# KiCad board DM23.kicad_pcb
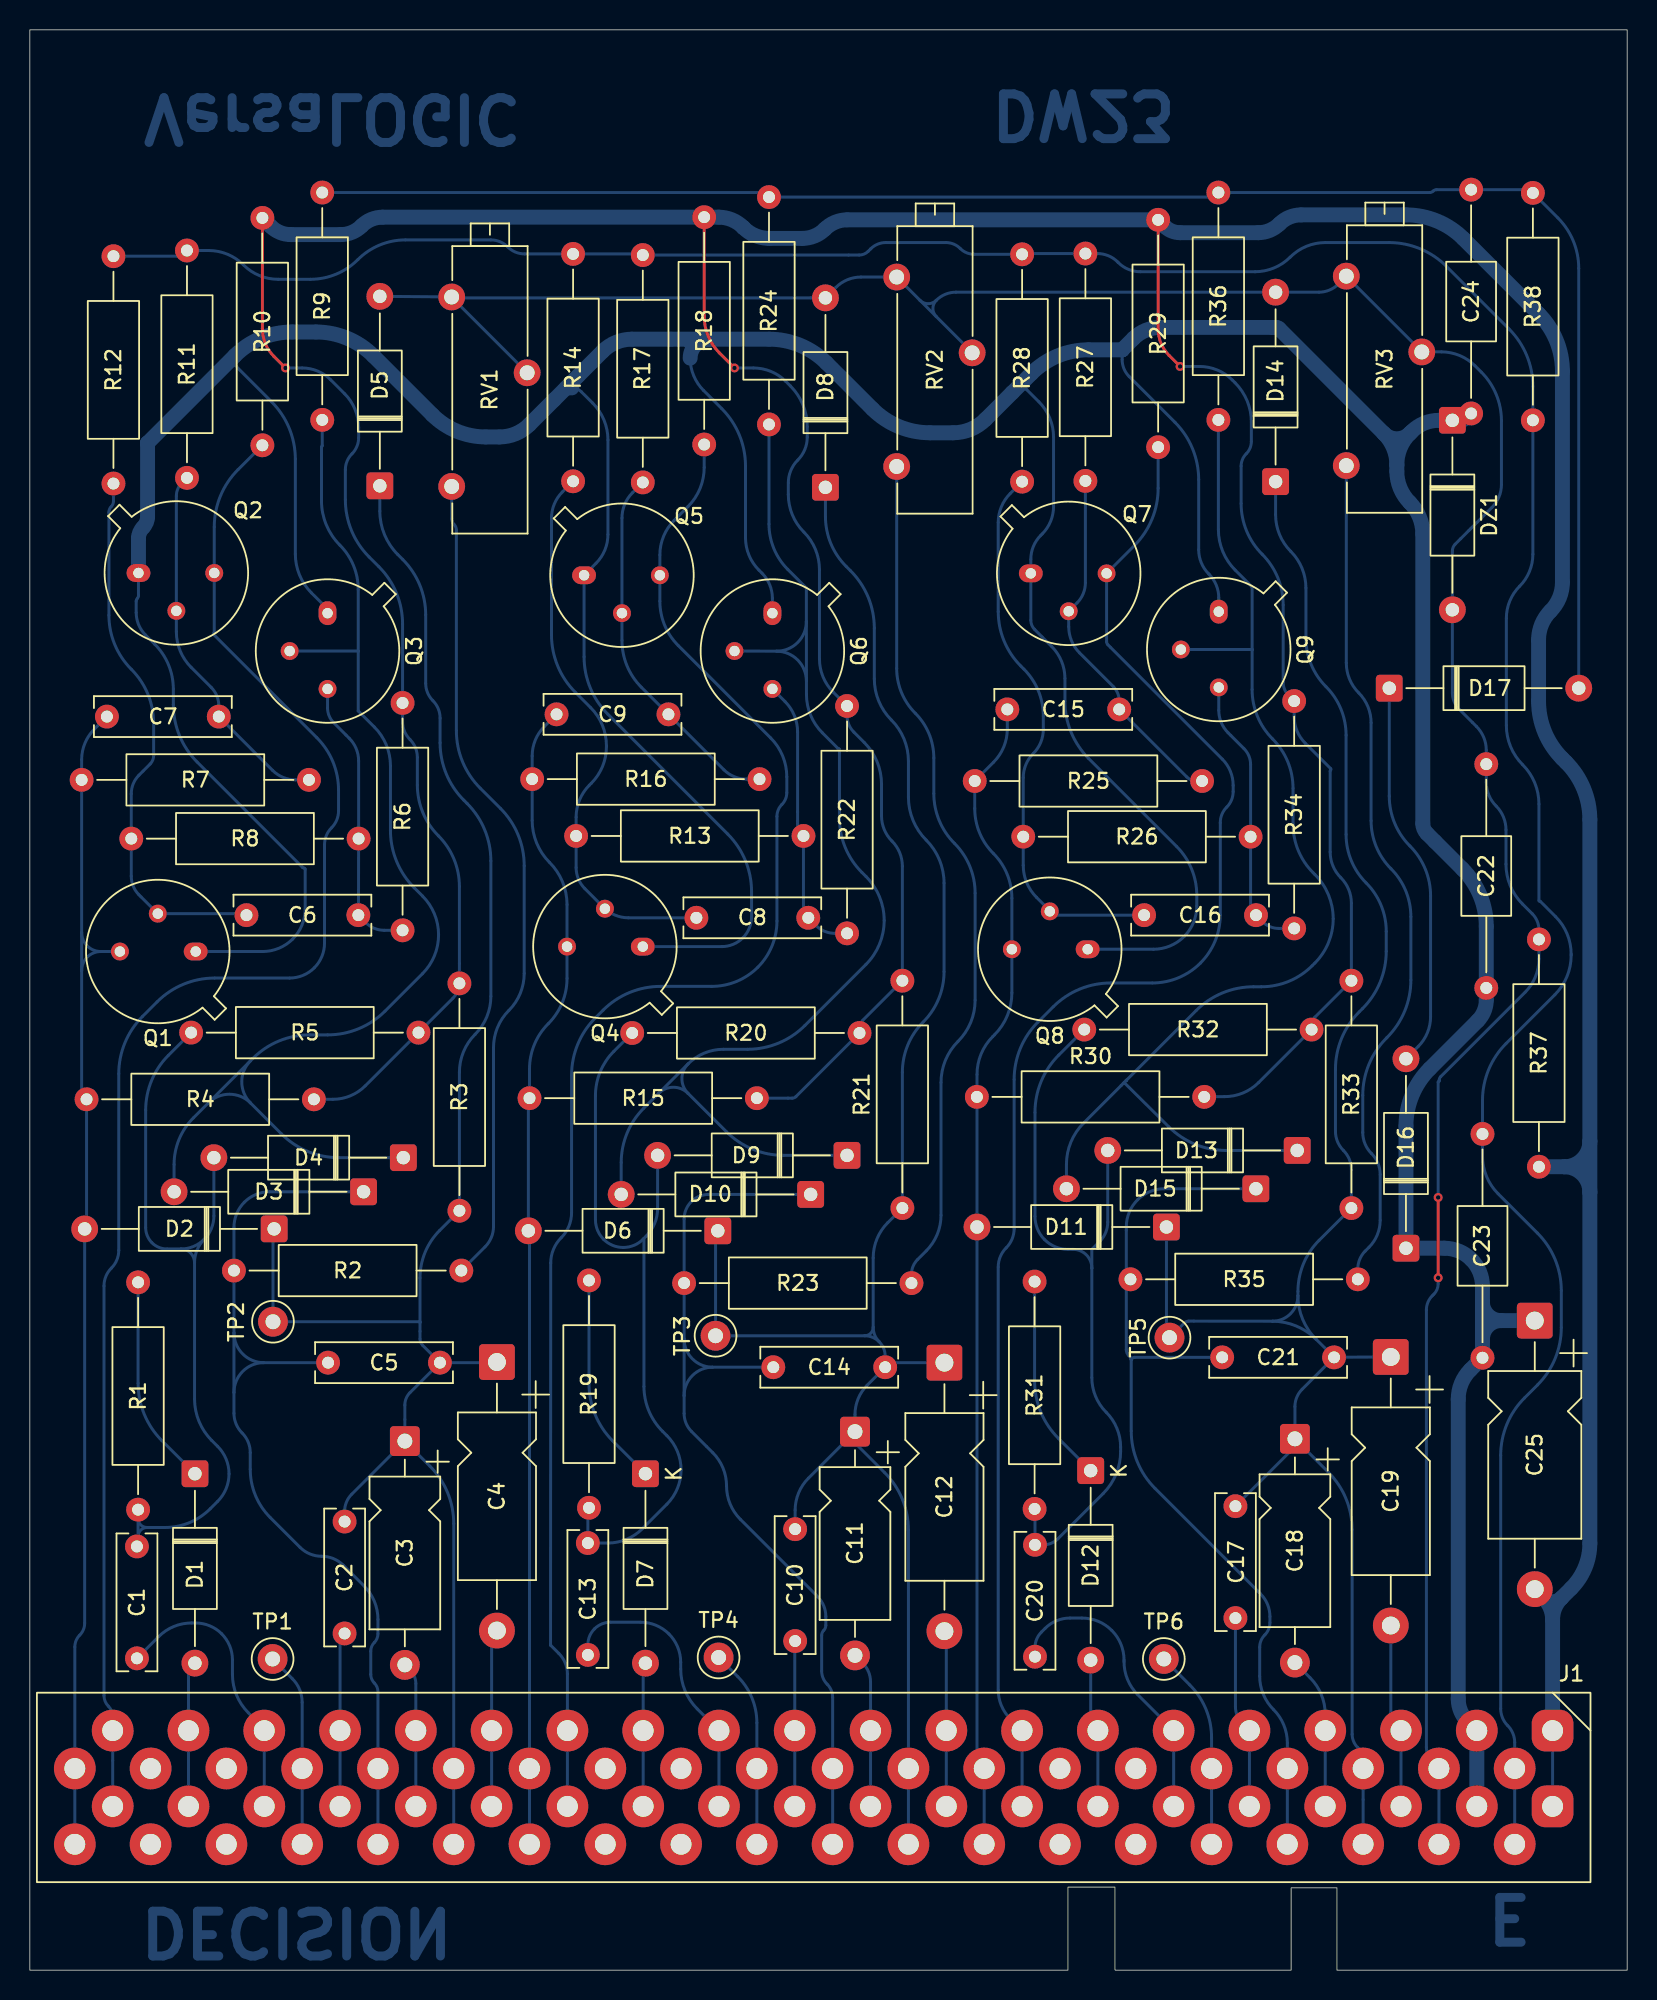
[diagram p0: board, top side]
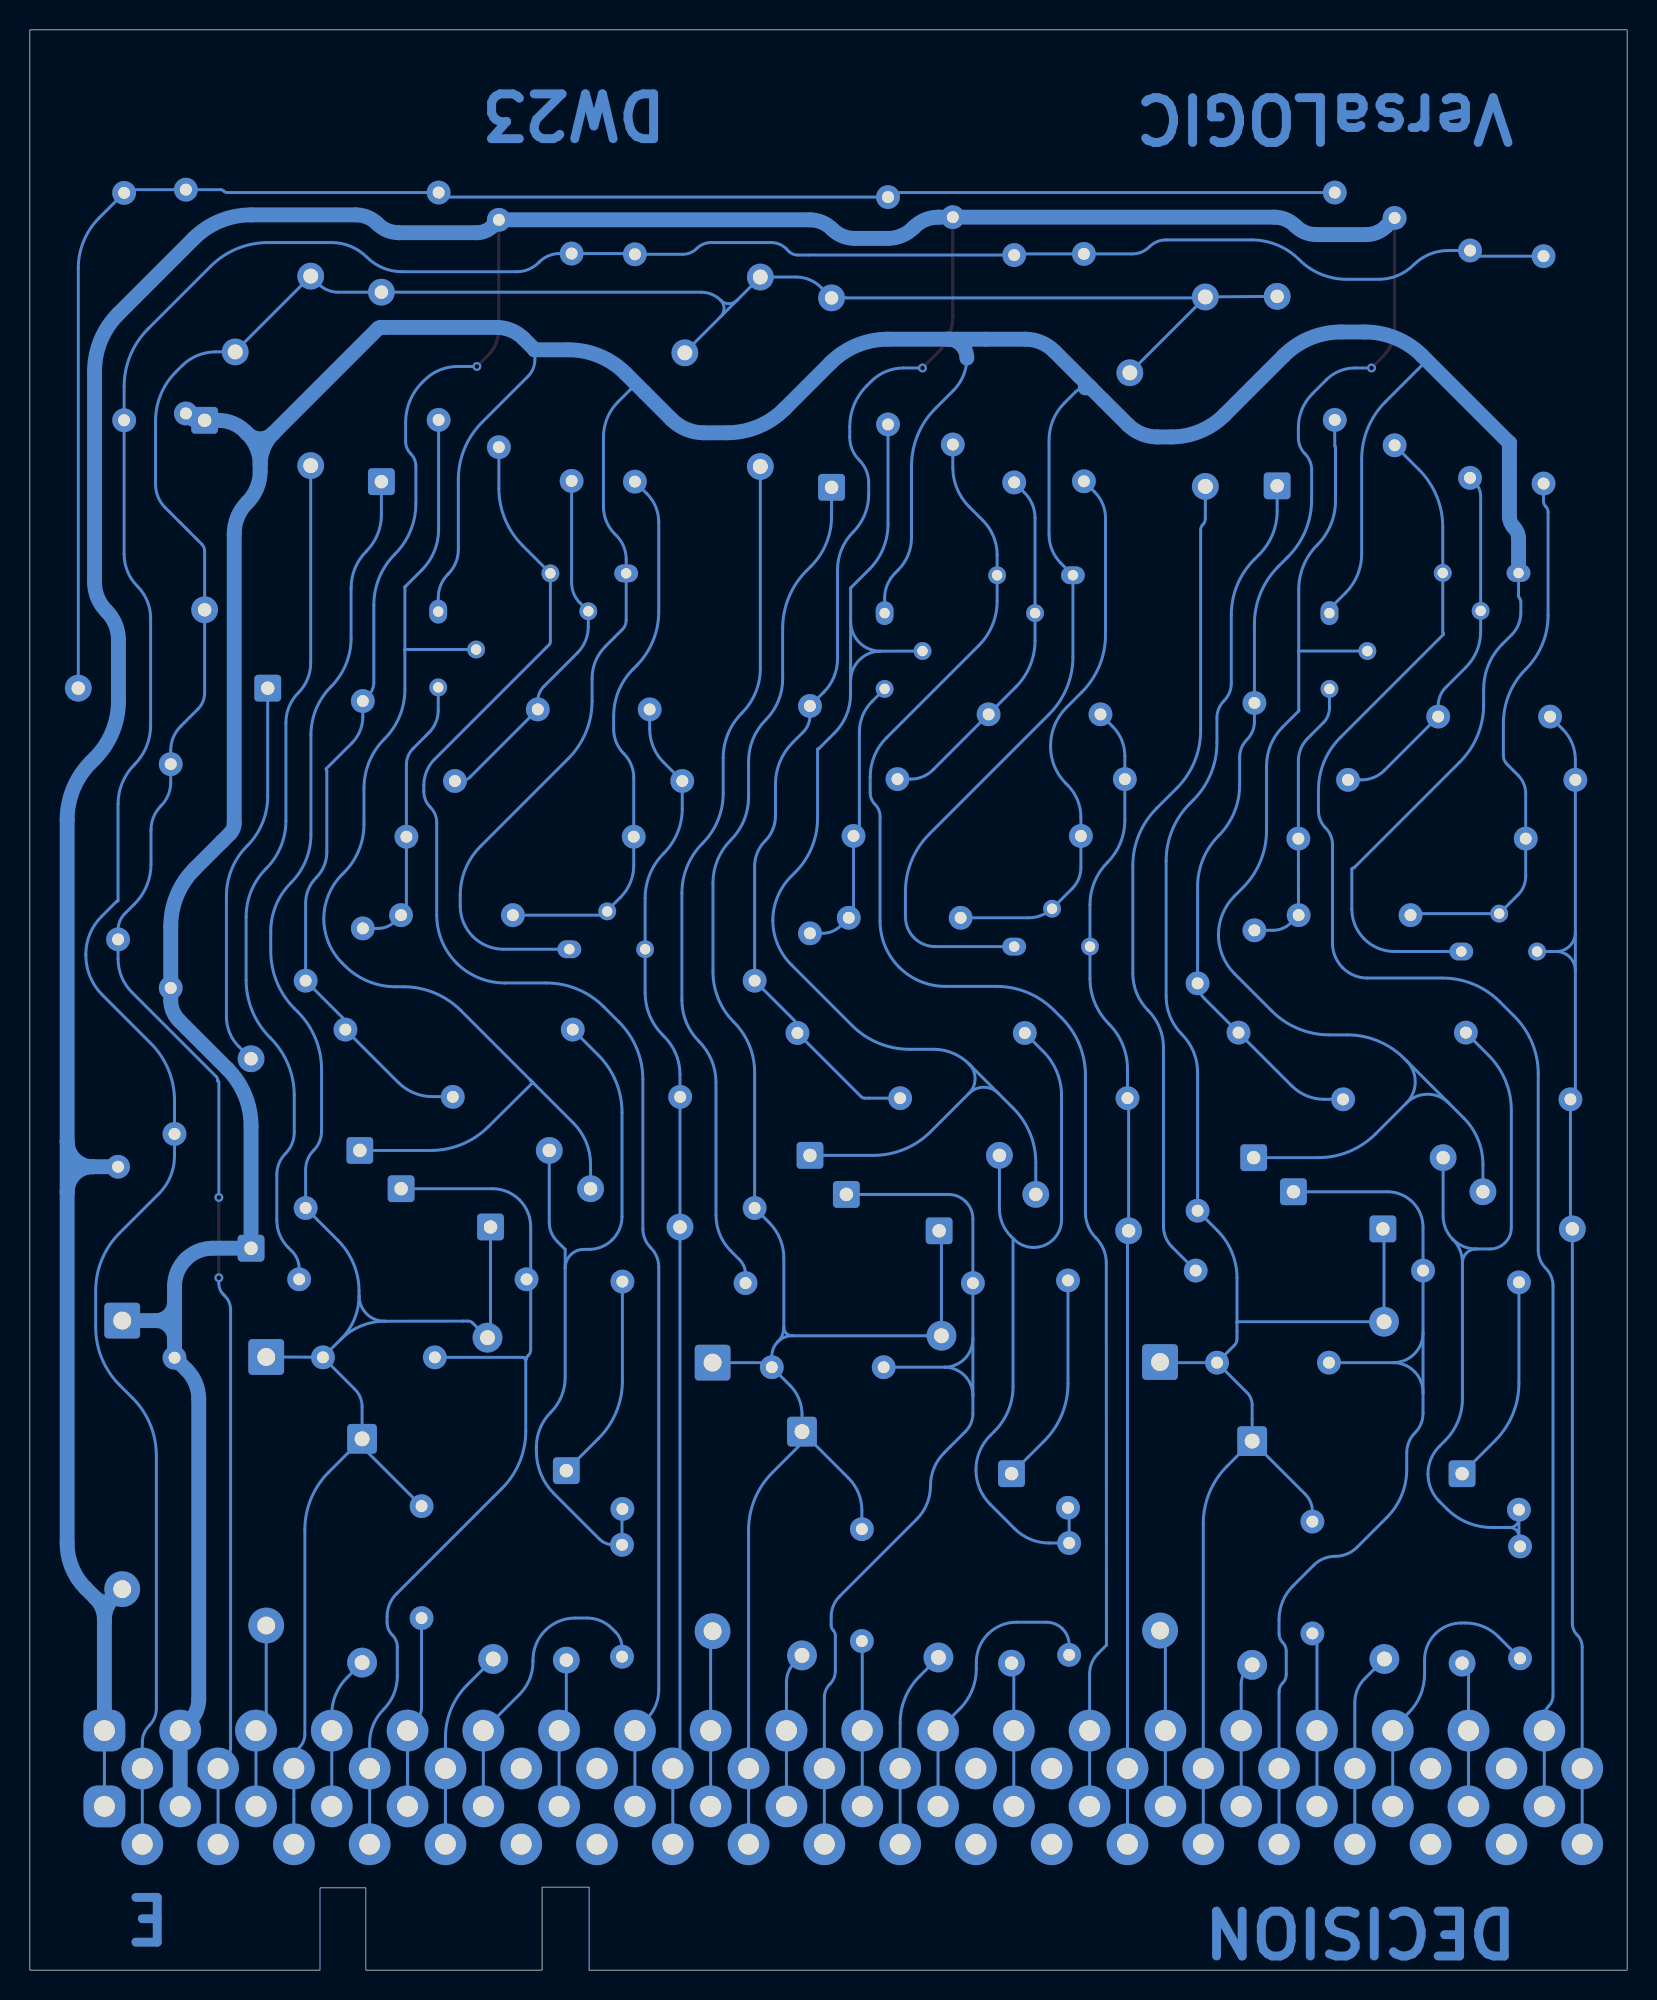
[diagram p1: board, bottom side, seen from below]

Outline 107.07 x 130.06 mm; copper layers: Top, Bottom. Coordinates in mm from the lower left corner of the outline.
Outline path: 107.07,130.06 107.07,0 87.62,0 87.62,5.52 84.55,5.52 84.55,0 72.76,0 72.74,0.03 72.74,5.57 69.59,5.57 69.59,0 0,0 0,130.06 closed

## Placement (name value [footprint] x y rotation side)
C1  C  [C_Rect_L9.0mm_W2.5mm_P7.50mm_MKT]  7.18 20.9 90 top
C2  C  [C_Rect_L9.0mm_W2.5mm_P7.50mm_MKT]  21.1 22.57 90 top
C3  3.3nF 100V  [CP_Axial_L10.0mm_D4.5mm_P15.00mm_Horizontal]  25.14 35.46 270 top
C4  22nF 200V 10%  [CP_Axial_L11.0mm_D5.0mm_P18.00mm_Horizontal]  31.31 40.76 270 top
C5  C  [C_Rect_L9.0mm_W2.5mm_P7.50mm_MKT]  19.99 40.72 0 top
C6  C  [C_Rect_L9.0mm_W2.5mm_P7.50mm_MKT]  14.52 70.72 0 top
C7  C  [C_Rect_L9.0mm_W2.5mm_P7.50mm_MKT]  5.17 84.03 0 top
C8  C  [C_Rect_L9.0mm_W2.5mm_P7.50mm_MKT]  44.68 70.54 0 top
C9  C  [C_Rect_L9.0mm_W2.5mm_P7.50mm_MKT]  35.31 84.18 0 top
C10  C  [C_Rect_L9.0mm_W2.5mm_P7.50mm_MKT]  51.3 22.06 90 top
C11  3.3nF 100V  [CP_Axial_L10.0mm_D4.5mm_P15.00mm_Horizontal]  55.31 36.1 270 top
C12  22nF 200V 10%  [CP_Axial_L11.0mm_D5.0mm_P18.00mm_Horizontal]  61.31 40.72 270 top
C13  C  [C_Rect_L9.0mm_W2.5mm_P7.50mm_MKT]  37.41 21.13 90 top
C14  C  [C_Rect_L9.0mm_W2.5mm_P7.50mm_MKT]  49.84 40.42 0 top
C15  C  [C_Rect_L9.0mm_W2.5mm_P7.50mm_MKT]  65.52 84.51 0 top
C16  C  [C_Rect_L9.0mm_W2.5mm_P7.50mm_MKT]  74.69 70.72 0 top
C17  C  [C_Rect_L9.0mm_W2.5mm_P7.50mm_MKT]  80.81 23.6 90 top
C18  3.3nF 100V  [CP_Axial_L10.0mm_D4.5mm_P15.00mm_Horizontal]  84.8 35.62 270 top
C19  22nF 200V 10%  [CP_Axial_L11.0mm_D5.0mm_P18.00mm_Horizontal]  91.23 41.1 270 top
C20  C  [C_Rect_L9.0mm_W2.5mm_P7.50mm_MKT]  67.38 21.01 90 top
C21  C  [C_Rect_L9.0mm_W2.5mm_P7.50mm_MKT]  79.93 41.08 0 top
C22  0.1uF 150V  [C_Axial_L5.1mm_D3.1mm_P15.00mm_Horizontal]  97.63 65.84 90 top
C23  0.1uF 150V  [C_Axial_L5.1mm_D3.1mm_P15.00mm_Horizontal]  97.38 41.05 90 top
C24  0.1uF 150V  [C_Axial_L5.1mm_D3.1mm_P15.00mm_Horizontal]  96.61 104.35 90 top
C25  68nF 150V  [CP_Axial_L11.0mm_D6.0mm_P18.00mm_Horizontal]  100.88 43.54 270 top
D1  D_Small  [D_A-405_P12.70mm_Horizontal]  11.07 33.28 270 top
D2  D_Small  [D_A-405_P12.70mm_Horizontal]  16.38 49.69 180 top
D3  D_Small  [D_A-405_P12.70mm_Horizontal]  22.37 52.18 180 top
D4  D_Small  [D_A-405_P12.70mm_Horizontal]  25.04 54.46 180 top
D5  D_Small  [D_A-405_P12.70mm_Horizontal]  23.46 99.5 90 top
D6  D_Small  [D_A-405_P12.70mm_Horizontal]  46.12 49.56 180 top
D7  D_Small  [D_A-405_P12.70mm_Horizontal]  41.27 33.28 270 top
D8  D_Small  [D_A-405_P12.70mm_Horizontal]  53.33 99.4 90 top
D9  D_Small  [D_A-405_P12.70mm_Horizontal]  54.78 54.62 180 top
D10  D_Small  [D_A-405_P12.70mm_Horizontal]  52.34 52 180 top
D11  D_Small  [D_A-405_P12.70mm_Horizontal]  76.19 49.81 180 top
D12  D_Small  [D_A-405_P12.70mm_Horizontal]  71.11 33.48 270 top
D13  D_Small  [D_A-405_P12.70mm_Horizontal]  84.96 54.95 180 top
D14  D_Small  [D_A-405_P12.70mm_Horizontal]  83.51 99.78 90 top
D15  D_Small  [D_A-405_P12.70mm_Horizontal]  82.19 52.38 180 top
D16  D_Small  [D_A-405_P12.70mm_Horizontal]  92.24 48.39 90 top
D17  D_Small  [D_A-405_P12.70mm_Horizontal]  91.13 85.93 0 top
DZ1  1N755A?  [D_A-405_P12.70mm_Horizontal]  95.36 103.89 270 top
J1  Conn_01x40  [ELCO 40]  102.07 16.06 0 top
Q1  2N1499A  [TO-39-3]  11.12 68.28 180 top
Q2  2N1499A  [TO-39-3]  7.28 93.66 0 top
Q3  2N1499A  [TO-39-3]  19.96 90.96 270 top
Q4  2N1499A  [TO-39-3]  41.09 68.61 180 top
Q5  2N1499A  [TO-39-3]  37.15 93.5 0 top
Q6  2N1499A  [TO-39-3]  49.78 90.96 270 top
Q7  2N1499A  [TO-39-3]  67.1 93.63 0 top
Q8  2N1499A  [TO-39-3]  70.91 68.43 180 top
Q9  2N1499A  [TO-39-3]  79.7 91.06 270 top
R1  1k  [R_Axial_DIN0309_L9.0mm_D3.2mm_P15.24mm_Horizontal]  7.26 30.87 90 top
R2  2.4k  [R_Axial_DIN0309_L9.0mm_D3.2mm_P15.24mm_Horizontal]  13.68 46.89 0 top
R3  2.4k  [R_Axial_DIN0309_L9.0mm_D3.2mm_P15.24mm_Horizontal]  28.8 50.91 90 top
R4  1k  [R_Axial_DIN0309_L9.0mm_D3.2mm_P15.24mm_Horizontal]  3.8 58.37 0 top
R5  10k  [R_Axial_DIN0309_L9.0mm_D3.2mm_P15.24mm_Horizontal]  10.81 62.85 0 top
R6  2k  [R_Axial_DIN0309_L9.0mm_D3.2mm_P15.24mm_Horizontal]  24.99 69.7 90 top
R7  5.1k  [R_Axial_DIN0309_L9.0mm_D3.2mm_P15.24mm_Horizontal]  3.47 79.79 0 top
R8  5.1k  [R_Axial_DIN0309_L9.0mm_D3.2mm_P15.24mm_Horizontal]  6.8 75.85 0 top
R9  10k  [R_Axial_DIN0309_L9.0mm_D3.2mm_P15.24mm_Horizontal]  19.6 103.92 90 top
R10  1k  [R_Axial_DIN0309_L9.0mm_D3.2mm_P15.24mm_Horizontal]  15.59 117.46 270 top
R11  39k  [R_Axial_DIN0309_L9.0mm_D3.2mm_P15.24mm_Horizontal]  10.53 100.03 90 top
R12  39k  [R_Axial_DIN0309_L9.0mm_D3.2mm_P15.24mm_Horizontal]  5.61 99.65 90 top
R13  5.1k  [R_Axial_DIN0309_L9.0mm_D3.2mm_P15.24mm_Horizontal]  36.62 76.03 0 top
R14  39k  [R_Axial_DIN0309_L9.0mm_D3.2mm_P15.24mm_Horizontal]  36.42 99.8 90 top
R15  1k  [R_Axial_DIN0309_L9.0mm_D3.2mm_P15.24mm_Horizontal]  33.49 58.45 0 top
R16  5.1k  [R_Axial_DIN0309_L9.0mm_D3.2mm_P15.24mm_Horizontal]  33.67 79.84 0 top
R17  39k  [R_Axial_DIN0309_L9.0mm_D3.2mm_P15.24mm_Horizontal]  41.09 99.73 90 top
R18  1k  [R_Axial_DIN0309_L9.0mm_D3.2mm_P15.24mm_Horizontal]  45.2 117.51 270 top
R19  1k  [R_Axial_DIN0309_L9.0mm_D3.2mm_P15.24mm_Horizontal]  37.48 30.99 90 top
R20  10k  [R_Axial_DIN0309_L9.0mm_D3.2mm_P15.24mm_Horizontal]  40.38 62.82 0 top
R21  2.4k  [R_Axial_DIN0309_L9.0mm_D3.2mm_P15.24mm_Horizontal]  58.49 51.08 90 top
R22  2k  [R_Axial_DIN0309_L9.0mm_D3.2mm_P15.24mm_Horizontal]  54.78 69.5 90 top
R23  2.4k  [R_Axial_DIN0309_L9.0mm_D3.2mm_P15.24mm_Horizontal]  43.86 46.06 0 top
R24  10k  [R_Axial_DIN0309_L9.0mm_D3.2mm_P15.24mm_Horizontal]  49.55 103.61 90 top
R25  5.1k  [R_Axial_DIN0309_L9.0mm_D3.2mm_P15.24mm_Horizontal]  63.34 79.71 0 top
R26  5.1k  [R_Axial_DIN0309_L9.0mm_D3.2mm_P15.24mm_Horizontal]  66.59 75.98 0 top
R27  39k  [R_Axial_DIN0309_L9.0mm_D3.2mm_P15.24mm_Horizontal]  70.76 99.83 90 top
R28  39k  [R_Axial_DIN0309_L9.0mm_D3.2mm_P15.24mm_Horizontal]  66.51 99.78 90 top
R29  1k  [R_Axial_DIN0309_L9.0mm_D3.2mm_P15.24mm_Horizontal]  75.63 117.33 270 top
R30  1k  [R_Axial_DIN0309_L9.0mm_D3.2mm_P15.24mm_Horizontal]  63.48 58.54 0 top
R31  1k  [R_Axial_DIN0309_L9.0mm_D3.2mm_P15.24mm_Horizontal]  67.35 30.92 90 top
R32  10k  [R_Axial_DIN0309_L9.0mm_D3.2mm_P15.24mm_Horizontal]  70.68 63.05 0 top
R33  2.4k  [R_Axial_DIN0309_L9.0mm_D3.2mm_P15.24mm_Horizontal]  88.59 51.08 90 top
R34  2k  [R_Axial_DIN0309_L9.0mm_D3.2mm_P15.24mm_Horizontal]  84.75 69.83 90 top
R35  2.4k  [R_Axial_DIN0309_L9.0mm_D3.2mm_P15.24mm_Horizontal]  73.78 46.31 0 top
R36  10k  [R_Axial_DIN0309_L9.0mm_D3.2mm_P15.24mm_Horizontal]  79.67 103.92 90 top
R37  330  [R_Axial_DIN0309_L9.0mm_D3.2mm_P15.24mm_Horizontal]  101.16 53.85 90 top
R38  5.1k  [R_Axial_DIN0309_L9.0mm_D3.2mm_P15.24mm_Horizontal]  100.75 103.89 90 top
RV1  20k  [Potentiometer_Bourns_3006W_Horizontal]  28.28 99.46 270 top
RV2  20k  [Potentiometer_Bourns_3006W_Horizontal]  58.11 100.79 270 top
RV3  20k  [Potentiometer_Bourns_3006W_Horizontal]  88.25 100.85 270 top
TP1  TestPoint  [TestPoint_Keystone_5000-5004_Miniature]  16.27 20.86 0 top
TP2  TestPoint  [TestPoint_Keystone_5000-5004_Miniature]  16.3 43.46 0 top
TP3  TestPoint  [TestPoint_Keystone_5000-5004_Miniature]  45.97 42.53 0 top
TP4  TestPoint  [TestPoint_Keystone_5000-5004_Miniature]  46.17 20.96 0 top
TP5  TestPoint  [TestPoint_Keystone_5000-5004_Miniature]  76.4 42.4 0 top
TP6  TestPoint  [TestPoint_Keystone_5000-5004_Miniature]  76.01 20.86 0 top

## Library data of the parts
C1-C25 = -: Description: Unpolarized capacitor; ki_fp_filters: C_*
D1-D17 = -: Description: Diode, small symbol; Sim.Device: D; Sim.Pins: 1=K 2=A; ki_fp_filters: TO-???* *_Diode_* *SingleDiode* D_*
DZ1 = -: Description: Zener diode, generic symbol, Alternate KiCAD Library; ki_fp_filters: TO-???* *_Diode_* *SingleDiode* D_*
J1 = -: Description: Generic connector, single row, 01x40, script generated (kicad-library-utils/schlib/autogen/connector/); ki_fp_filters: Connector*:*_1x??_*
Q1-Q9 = -: Datasheet: https://ngspice.sourceforge.io/docs/ngspice-html-manual/manual.xhtml#cha_BJTs; Description: Bipolar transistor symbol for simulation only, substrate tied to the emitter; Sim.Device: PNP; Sim.Type: GUMMELPOON; Sim.Pins: 1=C 2=B 3=E
R1-R38 = -: Description: Resistor; ki_fp_filters: R_*
RV1-RV3 = -: Description: Potentiometer; ki_fp_filters: Potentiometer*
TP1-TP6 = -: Description: test point; ki_fp_filters: Pin* Test*

## Footprints (pads in the part's own frame, mm; a bottom-side part is the same pattern mirrored in y, then rotated)
C_Axial_L5.1mm_D3.1mm_P15.00mm_Horizontal
  round 1.6 hole 0.8: 1(0,0) 2(15,0)
C_Rect_L9.0mm_W2.5mm_P7.50mm_MKT
  round 1.6 hole 0.8: 1(0,0) 2(7.5,0)
CP_Axial_L10.0mm_D4.5mm_P15.00mm_Horizontal
  rrect 2x2 hole 1: 1(0,0)
  round 2 hole 1: 2(15,0)
CP_Axial_L11.0mm_D5.0mm_P18.00mm_Horizontal
  rrect 2.4x2.4 hole 1.2: 1(0,0)
  round 2.4 hole 1.2: 2(18,0)
CP_Axial_L11.0mm_D6.0mm_P18.00mm_Horizontal
  rrect 2.4x2.4 hole 1.2: 1(0,0)
  round 2.4 hole 1.2: 2(18,0)
D_A-405_P12.70mm_Horizontal
  rrect 1.8x1.8 hole 0.9: 1(0,0)
  round 1.8 hole 0.9: 2(12.7,0)
ELCO 40
  rrect 2.8x2.8 hole 1.4: 1(0,0) 1(0,-5.08)
  round 2.8 hole 1.4: 2(-2.54,-2.54) 2(-2.54,-7.62) 3(-5.08,0) 3(-5.08,-5.08) 4(-7.62,-2.54) 4(-7.62,-7.62) 5(-10.16,0) 5(-10.16,-5.08) 6(-12.7,-2.54) 6(-12.7,-7.62) 7(-15.24,0) 7(-15.24,-5.08) 8(-17.78,-2.54) 8(-17.78,-7.62) 9(-20.32,0) 9(-20.32,-5.08) 10(-22.86,-2.54) 10(-22.86,-7.62) 11(-25.4,0) 11(-25.4,-5.08) 12(-27.94,-2.54) 12(-27.94,-7.62) 13(-30.48,0) 13(-30.48,-5.08) 14(-33.02,-2.54) 14(-33.02,-7.62) 15(-35.56,0) 15(-35.56,-5.08) 16(-38.1,-2.54) 16(-38.1,-7.62) 17(-40.64,0) 17(-40.64,-5.08) 18(-43.18,-2.54) 18(-43.18,-7.62) 19(-45.72,0) 19(-45.72,-5.08) 20(-48.26,-2.54) 20(-48.26,-7.62) 21(-50.8,0) 21(-50.8,-5.08) 22(-53.34,-2.54) 22(-53.34,-7.62) 23(-55.88,0) 23(-55.88,-5.08) 24(-58.42,-2.54) 24(-58.42,-7.62) 25(-60.96,0) 25(-60.96,-5.08) 26(-63.5,-2.54) 26(-63.5,-7.62) 27(-66.04,0) 27(-66.04,-5.08) 28(-68.58,-2.54) 28(-68.58,-7.62) 29(-71.12,0) 29(-71.12,-5.08) 30(-73.66,-2.54) 30(-73.66,-7.62) 31(-76.2,0) 31(-76.2,-5.08) 32(-78.74,-2.54) 32(-78.74,-7.62) 33(-81.28,0) 33(-81.28,-5.08) 34(-83.82,-2.54) 34(-83.82,-7.62) 35(-86.36,0) 35(-86.36,-5.08) 36(-88.9,-2.54) 36(-88.9,-7.62) 37(-91.44,0) 37(-91.44,-5.08) 38(-93.98,-2.54) 38(-93.98,-7.62) 39(-96.52,0) 39(-96.52,-5.08) 40(-99.06,-2.54) 40(-99.06,-7.62)
Potentiometer_Bourns_3006W_Horizontal
  round 1.8 hole 1: 1(0,0) 2(-7.62,5.06) 3(-12.7,0)
R_Axial_DIN0309_L9.0mm_D3.2mm_P15.24mm_Horizontal
  round 1.6 hole 0.8: 1(0,0) 2(15.24,0)
TestPoint_Keystone_5000-5004_Miniature
  round 2 hole 1: 1(0,0)
TO-39-3
  oval 1.6x1.2 hole 0.7: 1(0,0)
  round 1.2 hole 0.7: 2(2.54,-2.54) 3(5.08,0)

## Nets
+6V: C23.2 J1.2 R11.2 R12.2 R14.2 R17.2 R27.2 R28.2 R38.1
-12V: C25.2 J1.1 R3.2 R4.2 R5.2 R6.2 R10.1 R15.2 R18.1 R20.2 R21.2 R22.2 R29.1 R30.2 R32.2 R33.2 R34.2 R37.1
GND: C22.1 C23.1 C24.1 C25.1 D16.1 DZ1.1 J1.3 Q1.1 Q2.1 Q3.1 Q4.1 Q5.1 Q6.1 Q7.1 Q8.1 Q9.1
J1-4: C22.2 D5.2 D8.2 D14.2 DZ1.2 J1.4 R37.2 RV1.2 RV1.3 RV2.2 RV2.3 RV3.2 RV3.3
J1-5: C19.2 J1.5
J1-6: C17.2 C18.1 C19.1 C21.2 D11.1 D14.1 J1.6 R33.1 TP5.1
J1-7: C18.2 J1.7
J1-8: C21.1 D15.1 J1.8 R35.1
J1-9: C17.1 J1.9
J1-11: C20.1 J1.11
J1-13: D12.2 J1.13
J1-15: J1.15 Q7.3 R29.2
J1-16: C15.1 D11.2 J1.16 Q8.3 R25.1 R30.1
J1-17: C12.2 J1.17
J1-18: C10.2 C11.1 C12.1 C14.2 D6.1 D8.1 J1.18 R21.1 TP3.1
J1-19: C11.2 J1.19
J1-20: C14.1 D10.1 J1.20 R23.1
J1-21: C10.1 J1.21
J1-23: C13.1 J1.23
J1-25: D7.2 J1.25
J1-27: J1.27 Q5.3 R18.2
J1-28: C9.1 D6.2 J1.28 Q4.3 R15.1 R16.1
J1-29: C4.2 J1.29
J1-30: C2.2 C3.1 C4.1 C5.2 D2.1 D5.1 J1.30 R3.1 TP2.1
J1-31: C3.2 J1.31
J1-32: C5.1 D3.1 J1.32 R2.1
J1-33: C2.1 J1.33
J1-35: C1.1 J1.35
J1-37: D1.2 J1.37
J1-39: J1.39 Q2.3 R10.2
J1-40: C7.1 D2.2 J1.40 Q1.3 R4.1 R7.1
Net-(D1-K): D1.1 R1.2
Net-(D3-A): D3.2 D4.1 Q3.2 R9.1
Net-(D4-A): C1.2 D4.2 R1.1 R5.1
Net-(D7-K): D7.1 R19.2
Net-(D9-A): C13.2 D9.2 R19.1 R20.1
Net-(D10-A): D9.1 D10.2 Q6.2 R24.1
Net-(D12-K): D12.1 R31.2
Net-(D13-A): C20.2 D13.2 R31.1 R32.1
Net-(D13-K): D13.1 D15.2 Q9.2 R36.1
Net-(D16-A): D16.2 D17.1
Net-(D17-A): C24.2 D17.2 R9.2 R24.2 R36.2 R38.2
Net-(J1-Pin_10): J1.10 TP6.1
Net-(J1-Pin_22): J1.22 TP4.1
Net-(J1-Pin_34): J1.34 TP1.1
Net-(Q1-B): C6.1 Q1.2 R8.1 R12.1
Net-(Q2-B): C7.2 Q2.2 R7.2 R11.1
Net-(Q3-E): C6.2 Q3.3 R6.1 R8.2
Net-(Q4-B): C8.1 Q4.2 R13.1 R14.1
Net-(Q5-B): C9.2 Q5.2 R16.2 R17.1
Net-(Q6-E): C8.2 Q6.3 R13.2 R22.1
Net-(Q7-B): C15.2 Q7.2 R25.2 R27.1
Net-(Q8-B): C16.1 Q8.2 R26.1 R28.1
Net-(Q9-E): C16.2 Q9.3 R26.2 R34.1
Net-(R2-Pad2): R2.2 RV1.1
Net-(R23-Pad2): R23.2 RV2.1
Net-(R35-Pad2): R35.2 RV3.1

Pads without a net: J1 12 14 24 26 36 38

## Via types
v1: diameter 0.6, hole 0.3, Top to Bottom, 5 vias

## Routing (per net, layer and track width the routed paths; a pad name or vN(x,y) marks a point on that pad's centre or on a via; arc(x,y) is an arc through that point)
+6V: length 207.8
  Bottom w0.2: J1.2 J1.2 99.53,15.26 arc(99.41,15.87) 99.06,16.39 arc(98.72,16.91) 98.59,17.53 98.59,34.51 arc(99.01,36.59) 100.19,38.35 101.07,39.23 arc(102.24,40.99) 102.66,43.08 102.66,45.55 arc(102.24,47.64) 101.07,49.4 98.42,52.04 arc(97.65,53.2) 97.38,54.57 C23.2 97.38,58.29 arc(97.79,60.36) 98.96,62.12 102.22,65.38 arc(103.03,66.6) 103.32,68.03 103.32,68.1 arc(103.05,69.46) 102.28,70.62 101.26,71.63 arc(101.23,71.65) 101.2,71.66 arc(101.17,71.67) 101.16,71.7 101.16,78.17 arc(100.88,79.59) 100.07,80.8 arc(99.26,82.01) 98.98,83.44 98.98,90.62 arc(99.21,91.78) 99.86,92.77 arc(100.52,93.75) 100.75,94.91 R38.1 100.75,106.16 arc(100.34,108.24) 99.16,110.01 94.96,114.21 arc(93.19,115.39) 91.11,115.8 86.85,115.8 arc(85.57,115.55) 84.49,114.83 arc(83.4,114.1) 82.12,113.85 74.44,113.85 arc(73.64,114.01) 72.97,114.46 72.92,114.5 arc(72.3,114.92) 71.56,115.07 R27.2 66.6,115.07 arc(66.57,115.06) 66.54,115.04 arc(66.51,115.02) 66.48,115.02 63.31,115.02 arc(62.8,115.12) 62.36,115.41 arc(61.93,115.7) 61.41,115.8 57.38,115.8 arc(56.83,115.7) 56.37,115.39 56.2,115.22 arc(55.92,115.03) 55.59,114.97 41.14,114.97 arc(41.09,114.98) 41.05,115 arc(41.01,115.03) 40.96,115.04 R14.2 33.17,115.04 arc(32.55,115.16) 32.03,115.51 arc(31.51,115.86) 30.9,115.98 25.18,115.98 arc(23.45,115.64) 21.99,114.66 arc(20.53,113.68) 18.8,113.34 16.65,113.34 arc(15.39,113.59) 14.32,114.31 arc(13.25,115.02) 11.99,115.27 10.8,115.27 arc(10.55,115.22) 10.34,115.08 arc(10.13,114.94) 9.88,114.89 R12.2
-12V: length 415.3
  Top w0.2: R29.1 75.63,110.01 arc(75.82,109.05) 76.37,108.23 v1(77.11,107.5) ; v1(47.24,107.4) 46.22,108.41 arc(45.47,109.54) 45.2,110.87 R18.1 ; v1(17.14,107.4) 16.36,108.17 arc(15.79,109.03) 15.59,110.04 R10.1
  Bottom w0.2: v1(17.14,107.4) 18.25,107.4 arc(19.29,107.19) 20.16,106.61 21.11,105.66 arc(21.8,104.63) 22.04,103.41 22.04,102.72 arc(21.92,102.14) 21.59,101.64 arc(21.27,101.15) 21.15,100.57 21.15,98.58 arc(21.56,96.49) 22.74,94.73 23.39,94.08 arc(24.57,92.32) 24.99,90.23 R6.2 24.99,83.69 arc(25.11,83.04) 25.48,82.49 arc(25.85,81.94) 25.98,81.3 25.98,79.44 arc(26.34,77.6) 27.39,76.04 arc(28.43,74.48) 28.8,72.64 28.8,66.22 arc(28.68,65.64) 28.35,65.14 R5.2 22.48,59.27 arc(21.49,58.61) 20.31,58.37 R4.2 ; v1(47.24,107.4) 48.51,107.4 arc(49.68,107.16) 50.67,106.5 50.98,106.19 arc(51.82,104.94) 52.11,103.46 52.11,102.76 arc(51.95,101.93) 51.48,101.22 arc(51.01,100.52) 50.84,99.69 50.84,98.92 arc(51.11,97.55) 51.89,96.4 arc(52.66,95.24) 52.93,93.88 52.93,87.9 arc(53.17,86.69) 53.86,85.66 54.32,85.2 arc(54.66,84.69) 54.78,84.09 arc(54.9,83.49) 55.24,82.99 55.94,82.29 arc(56.79,81.01) 57.09,79.5 57.09,77.37 arc(57.27,76.46) 57.79,75.68 arc(58.31,74.91) 58.49,74 R21.2 55.84,63.68 arc(55.68,63.43) 55.62,63.14 arc(55.56,62.84) 55.39,62.6 51.35,58.55 arc(51.24,58.48) 51.11,58.45 R15.2 ; v1(77.11,107.5) 78.4,107.5 arc(79.6,107.26) 80.61,106.58 80.79,106.41 arc(81.6,105.2) 81.88,103.77 81.88,102.47 arc(81.79,102.02) 81.54,101.64 arc(81.29,101.26) 81.2,100.82 81.2,98.32 arc(81.56,96.47) 82.61,94.91 arc(83.65,93.35) 84.02,91.51 84.02,86.33 arc(84.11,85.85) 84.38,85.44 arc(84.66,85.03) 84.75,84.55 84.75,84.03 arc(84.94,83.07) 85.49,82.25 87.2,80.54 arc(87.22,80.5) 87.2,80.46 arc(87.17,80.42) 87.16,80.37 87.16,74.95 arc(87.35,74.02) 87.88,73.23 arc(88.4,72.45) 88.59,71.52 R33.2 86.14,63.87 arc(85.98,63.63) 85.92,63.35 arc(85.86,63.07) 85.7,62.83 82.38,59.5 arc(81.32,58.8) 80.08,58.55 78.73,58.55 ; J1.1 J1.1